# Altium PCB fMAX_MB.PcbDoc (part 11 of 13)
Units mil, origin at the board's own origin, x right, y up, seen from the top; angles counter-clockwise.
Board outline 9175 x 6300 mil, 14 copper layers (TopLayer, Gnd1, MidLayer1, Power1, MidLayer4, Power2, MidLayer2, Power3, MidLayer3, Gnd3, MidLayer6, Gnd2, MidLayer5, BottomLayer); 679 components, 896 nets, 4133 pads, 2341 vias.
Unrouted connection lines stored in the file: 4.
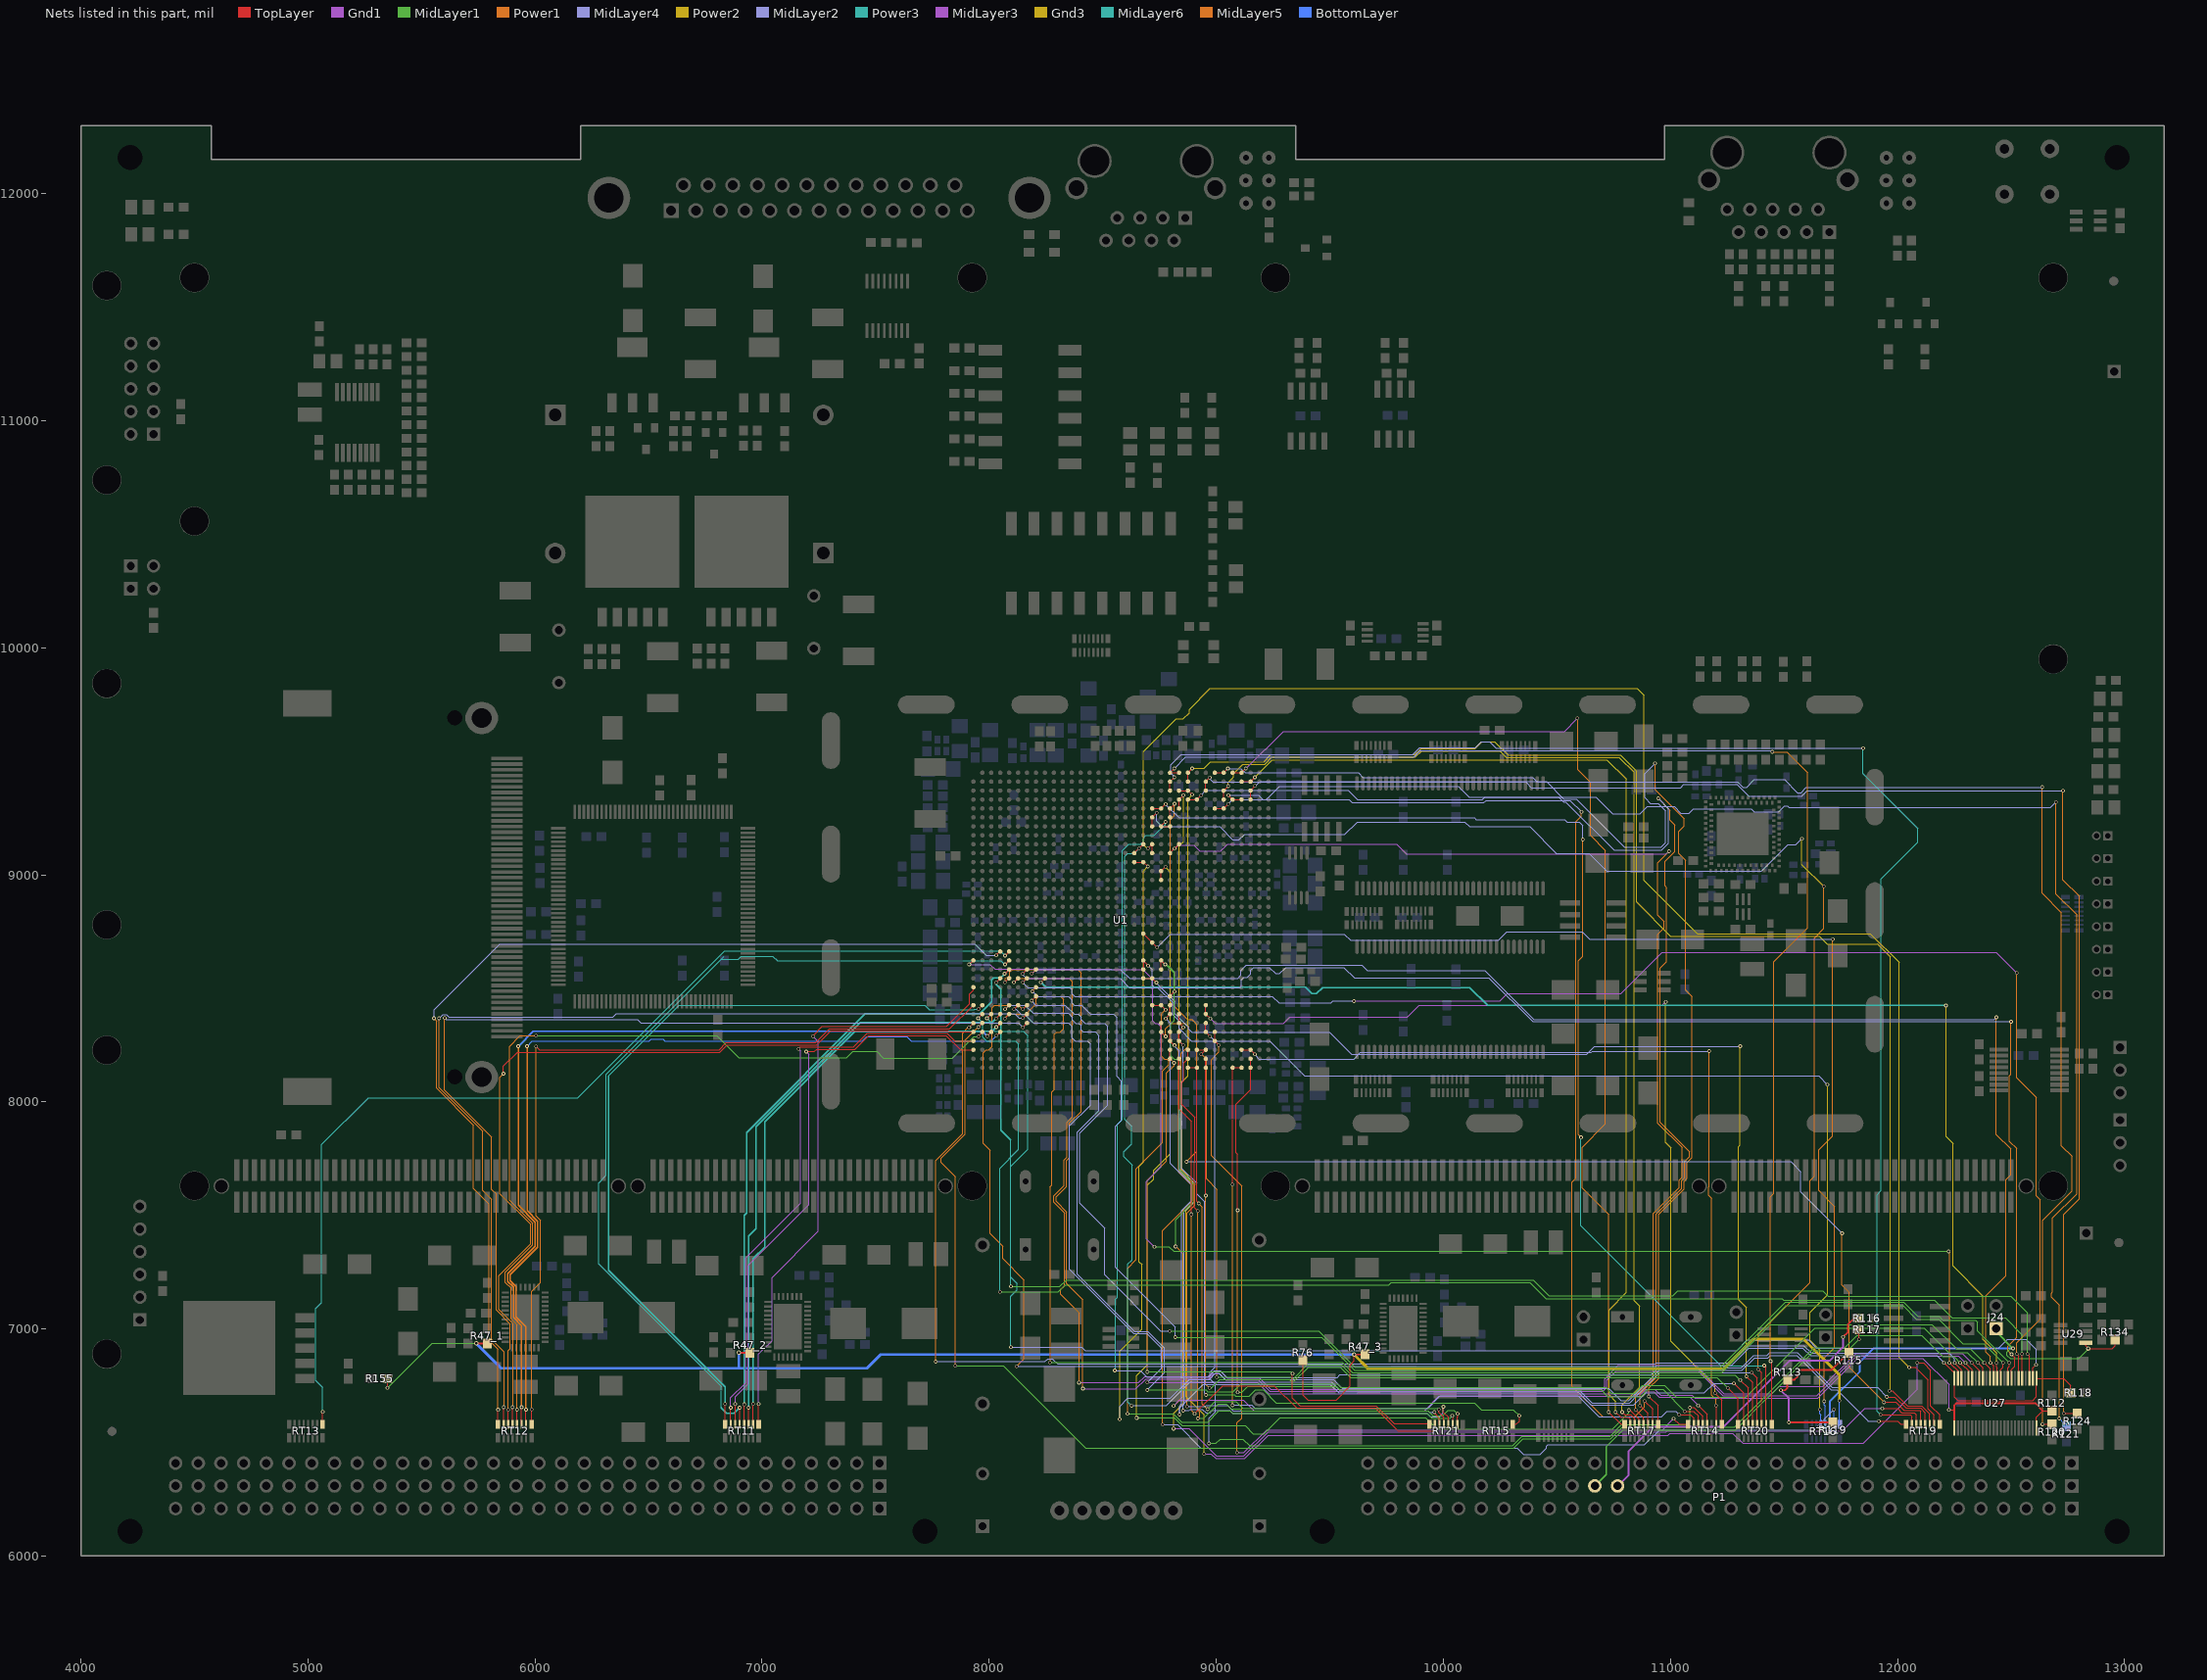
[diagram p23: the nets of this part, all layers, seen from the top]

## Via types
v1: diameter 16, hole 10, TopLayer to BottomLayer, tented both sides, 2192 vias
v2: diameter 36, hole 20, TopLayer to BottomLayer, tented both sides, 84 vias
v3: diameter 20, hole 10, TopLayer to BottomLayer, tented both sides, 61 vias
v4: diameter 160, hole 125, TopLayer to BottomLayer, tented both sides, 4 vias

## Nets (pads, with @x,y where several pads share a name; then routed paths per layer and width w, separated by ;. In a path a pad name is that pad's centre, name@x,y a point inside that pad or via, vN(x,y) a via of type N, cw(c..) or ccw(c..) an arc to the next point about the centre after c; other vN are vias at no path point) (continued)
VME_A16: RT17.8 U1.D1 U1.E1 | length 4902.5
  TopLayer w5: U1.E1@9072.13,9449.61 U1.D1@9111.5,9449.61 v1(9130,9468.11) ; v1(10728.35,6633.86) 10781.94,6580.27 RT17.8@10798.28,6580.27
  Gnd1 w5: v1@9131.11,9468.11 9131.5,9468.11 9295.28,9631.89 10533.46,9631.89 v1(10590.55,9688.98)
  MidLayer1 w5: v1(9130,9468.11) v1@9131.11,9468.11
  MidLayer5 w5: v1@10591.54,9685.04 10591.54,9462.6 10647.64,9406.5 10647.64,9173.02 10713.78,9106.88 10713.78,7902.76 10611.22,7800.2 10611.22,7621.06 10728.35,7503.94 v1(10728.35,6633.86)
VME_A17: RT17.7 U1.C2 U1.D2 | length 4701.4
  TopLayer w5: U1.D2@9111.5,9410.24 U1.C2@9150.87,9410.24 v1(9170,9429.37) ; v1(10757.87,6633.86) 10781.5,6610.24 10814.96,6610.24 10822.89,6602.31 RT17.7@10822.89,6580.27
  MidLayer1 w5: v1(9170,9429.37) v1@9170,9430
  Gnd3 w5: v1(9170,9429.37) 9170,9429.84 9247.05,9506.89 10720.47,9506.89 10805.12,9422.24 10805.12,7160.43 10729.33,7084.65 10729.33,6709.65 10757.87,6681.1 v1(10757.87,6633.86)
VME_A18: RT17.6 U1.F3 U1.F4 | length 4927.9
  TopLayer w5: U1.F4@9032.76,9331.5 U1.F3@9032.76,9370.87 v1(9052,9390.11) ; v1(10787.4,6633.86) 10800.2,6621.06 10825.79,6621.06 10842.57,6604.28 RT17.6@10842.57,6580.27
  Gnd3 w5: v1(9052,9390.11) 9052,9406.33 9076.41,9430.74 9076.41,9446.49 9117.13,9487.2 9213.22,9487.2 9243.73,9517.72 9876.97,9517.72 9904.53,9545.28 10249.02,9545.28 10277.4,9516.89 10774.45,9516.89 10839.57,9451.77 10839.57,7125.43 10865,7100 10865,6743.31 10787.4,6665.72 v1(10787.4,6633.86)
VME_A19: RT17.5 U1.N12 U1.N13 | length 4934.4
  TopLayer w5: U1.N13@8757.17,8977.17 U1.N12@8757.17,9016.54 8757.54,9016.54 v1(8776,9035) ; v1(10816.93,6642.72) 10821.85,6642.72 10862.26,6602.31 RT17.5@10862.26,6580.27
  MidLayer1 w5: v1(8649.61,6608.27) 8815.58,6608.27 8850.03,6573.82 9127.59,6573.82 9163.02,6538.39 9209.65,6538.39 9280.2,6608.94 9920.49,6608.94 9970.37,6559.06 10745.08,6559.06 10816.93,6630.91 v1(10816.93,6642.72)
  Gnd3 w5: v1(8649.61,6608.27) 8649.61,6794.29 8696.85,6841.54 8696.85,7632.87 8723.43,7659.45 8723.43,7697.83 8797.24,7771.65 8797.24,9011.81 8776,9033.06 v1(8776,9035)
VME_A20: RT17.4 U1.L9 U1.M10 | length 4997.8
  TopLayer w5: U1.M10@8796.54,9095.28 U1.L9@8835.91,9134.65 ; v1(10846.46,6643.7) 10881.94,6608.21 RT17.4@10881.94,6580.27
  MidLayer3 w5: v1@8816.1,9115.31 v1(8816.1,9114.84) 8816.61,9114.84 8832.68,9130.91 8900.59,9130.91 8927.01,9104.49 9019.84,9104.49 9049.21,9133.86 9795.28,9133.86 9838.43,9090.71 10981.46,9090.71 v1(10994.09,9103.35)
  MidLayer5 w5: v1(10846.46,6643.7) 10846.46,6709.65 10925.2,6788.39 10925.2,7508.86 11038.39,7622.05 11038.39,7655.98 11051.18,7668.78 11051.18,7798.78 10943.78,7906.18 10943.78,8738.33 10971.46,8766.01 10971.46,8794.37 10943.78,8822.05 10943.78,9053.03 v1(10994.09,9103.35)
VME_A21: RT17.3 U1.D4 U1.E4 | length 5362.2
  TopLayer w5: v1(9053,9350.62) U1.E4@9072.13,9331.5 U1.D4@9111.5,9331.5 ; v1(10866.14,6663.39) 10901.63,6627.9 RT17.3@10901.63,6580.27
  MidLayer1 w5: v1(9053,9350.62) v1@9053.38,9350.62
  MidLayer5 w5: v1(10866.14,6663.39) 10866.14,6715.19 10937.01,6786.05 10937.01,7506.53 11049.28,7618.8 11049.28,7652.74 11062.99,7666.45 11062.99,7736.22 11084.65,7757.87 11084.65,7779.53 10953.78,7910.39 10953.78,8588.62 10983.27,8618.11 10983.27,8943.9 10976.38,8950.79 10976.38,9060.04 11018.7,9102.36 11018.7,9219.49 10998.03,9240.16 10998.03,9284.45 v1(10945.87,9336.61)
  MidLayer4 w5: v1(9053,9350.62) 9185.8,9350.62 9205.71,9330.71 9219.49,9330.71 9278.78,9390 10065.71,9390 10114.17,9341.54 10508.13,9341.54 10528.8,9320.87 10539.37,9320.87 10750.98,9109.25 10961.61,9109.25 10992.13,9139.76 10992.13,9290.35 v1(10945.87,9336.61)
VME_A22: RT17.2 U1.F5 U1.G5 | length 4744.9
  TopLayer w5: U1.G5@8993.39,9292.13 U1.F5@9032.76,9292.13 v1(9052.63,9312) ; v1(10885.83,6683.07) 10921.32,6647.58 RT17.2@10921.32,6580.27
  MidLayer2 w5: v1@9054.13,9312 9054.13,9313.98 9070.87,9330.71 9584.28,9330.71 9597.08,9317.91 10179.13,9317.91 10188.98,9327.76 10558.07,9327.76 v1@10609.25,9276.57
  MidLayer5 w5: v1(10608.27,9277.56) 10608.27,9257.87 10584.65,9234.25 10584.65,7664.37 10566.93,7646.65 10566.93,6748.03 10701.77,6613.19 10841.54,6613.19 10885.83,6657.48 v1(10885.83,6683.07)
VME_A23: RT17.1 U1.C3 U1.C4 | length 5529.5
  TopLayer w5: U1.C4@9150.87,9331.5 U1.C3@9150.87,9370.87 v1(9171,9391) ; v1(10905.51,6702.76) 10945.92,6662.35 RT17.1@10945.92,6580.27
  MidLayer5 w5: v1(10905.51,6702.76) 10905.51,6740.42 10947.83,6782.74 10947.83,7503.21 11060.04,7615.42 11060.04,7649.35 11073.82,7663.13 11073.82,7732.91 11095.47,7754.56 11095.47,8464.57 11066.93,8493.11 11066.93,9063.98 11036.42,9094.49 11036.42,9189.96 11061.02,9214.57 11061.02,9246.06 10932.09,9375 v1(10932.09,9490.16)
  MidLayer4 w5: v1(9171,9391) 9172.5,9391 9191.93,9410.43 10453.38,9410.43 10530.15,9333.66 10585.89,9333.66 10797.5,9122.05 10959.65,9122.05 10978.35,9140.75 10978.35,9281.5 10945.87,9313.98 10912.4,9313.98 10886.81,9339.57 10886.81,9444.88 v1(10932.09,9490.16)
VME_ACFAIL_1: R124.1 U1.H2 U1.H3 | length 6745.1
  TopLayer w5: U1.H3@8954.02,9370.87 8954.02,9411.02 v1(8971,9428) ; v1(12732.47,6628.47) R124.1@12792,6628.46
  MidLayer2 w5: v1@8977.21,9428 v1(8971,9428) 8971,9423.69 8986.22,9408.46 10363.19,9408.46 10387.8,9383.86 11044.29,9383.86 11058.9,9398.46 11292.25,9398.46 11344.55,9346.16 11577.46,9346.16 11601.38,9370.08 v1(12728.35,9370.08)
  MidLayer5 w5: v1(12728.35,9370.08) 12728.35,8977.36 12800.2,8905.51 12800.2,7572.83 12732.47,7505.1 v1(12732.47,6628.47)
VME_AM0: RT20.5 U1.P24 U1.R24 | length 4513
  TopLayer w5: U1.R24@8678.43,8544.09 U1.P24@8717.8,8544.09 v1(8736,8525.89) ; v1(11334.65,6791.34) 11362.26,6763.73 RT20.5@11362.26,6580.27
  MidLayer2 w5: v1(8736,8525.89) 8736,8523.68 8817.6,8442.09 8817.6,8389.09 8877.95,8328.74 8877.95,8320.87 8891.73,8307.09 9499.02,8307.09 9596.46,8209.65 10630.91,8209.65 10666.34,8245.08 v1(11307.09,8245.08)
  Gnd3 w5: v1(11307.09,8245.08) 11307.09,7810.04 11299.21,7802.17 11299.21,7129.21 11334.65,7093.78 v1(11334.65,6791.34)
VME_AM1: RT20.6 U1.H32 U1.J32 | length 4086.6
  TopLayer w5: U1.J32@8914.65,8229.13 U1.H32@8954.02,8229.13 v1(8934,8209) ; v1(11307.09,6775.59) 11342.57,6740.1 RT20.6@11342.57,6580.27
  MidLayer1 w5: v1(9002.95,6788.39) 9325.79,6788.39 9331.69,6782.48 9340.55,6782.48 9400.43,6842.36 9549.99,6842.36 9595.27,6797.09 11285.59,6797.09 v1(11307.09,6775.59)
  MidLayer5 w5: v1@8934,8208.72 8934.98,8208.72 8956.69,8187.01 8956.69,7661.42 9002.95,7615.16 v1(9002.95,6788.39)
  MidLayer4 w5: v1@8934,8208.72 v1(8934,8209)
VME_AM2: RT20.7 U1.M27 U1.M28 | length 4668.8
  TopLayer w5: v1(8777,8367) U1.M28@8796.54,8386.61 U1.M27@8796.54,8425.98 ; v1(11279.53,6759.84) 11322.89,6716.48 RT20.7@11322.89,6580.27
  MidLayer2 w5: v1@8838.58,6622.05 8838.58,6651.58 8942.91,6755.91 9501.97,6755.91 9539.37,6718.5 10596.46,6718.5 10650.59,6664.37 10838.58,6664.37 10892.72,6718.5 11149.61,6718.5 11190.94,6759.84 v1(11279.53,6759.84)
  MidLayer4 w5: v1(8777,8367) 8777.68,8367 8798.23,8346.46 8798.23,7728.35 8890.75,7635.83 8890.75,7563.98 8848.43,7521.65 8848.43,6671.58 8838.58,6661.74 v1(8838.58,6623.03)
VME_AM3: RT20.8 U1.H33 U1.H34 | length 3999
  TopLayer w5: v1@8954.02,7585.91 U1.H34@8954.02,8150.39 U1.H33@8954.02,8189.76 ; v1(11251.97,6740.16) 11298.28,6693.84 RT20.8@11298.28,6580.27
  MidLayer1 w5: v1(8970.47,6740.16) 8978.35,6740.16 9016.57,6778.39 9321.65,6778.39 9328.38,6771.65 9344.49,6771.65 9405.2,6832.36 9545.85,6832.36 9591.79,6786.42 11205.71,6786.42 v1(11251.97,6740.16)
  MidLayer5 w5: v1@8954.02,7585.91 8954.02,6756.61 v1(8970.47,6740.16)
  other v1: 8954.02,7587.6
VME_AM4: RT15.1 U1.L30 U1.L31 | length 3150.3
  TopLayer w5: U1.L30@8835.91,8307.87 U1.L31@8835.91,8268.5 v1(8854,8250.41) ; RT15.1@10305.92,6580.27 10320.43,6580.27 10334.65,6594.49 v1(10334.65,6618.11)
  MidLayer1 w5: v1(8955.71,6709.65) 9079.72,6709.65 9084.65,6704.72 9145.67,6704.72 9172.24,6731.3 9206.69,6731.3 9263.78,6674.21 10137.8,6674.21 10167.32,6644.69 10308.07,6644.69 v1(10334.65,6618.11)
  MidLayer4 w5: v1(8854,8250.41) 8854,8093.17 8847.6,8086.77 8847.6,7707.26 8913.39,7641.47 8913.39,7595.47 8947.83,7561.02 8947.83,6717.52 v1(8955.71,6709.65)
VME_AM5: RT16.12 U1.R22 U1.R23 | length 4919.9
  TopLayer w5: U1.R23@8678.43,8583.46 8678.54,8583.46 U1.R22@8678.43,8622.83 8678.43,8621.57 v1(8700,8600)
  MidLayer2 w5: v1@8701.18,8600 8718.5,8582.68 8718.5,8512.8 8728.35,8502.95 8742.59,8502.95 8807.6,8437.94 8807.6,8384.33 8835.63,8356.3 8835.63,8322.83 8890.75,8267.72 9236.22,8267.72 9389.76,8114.17 11652.56,8114.17 v1(11690.94,8075.79)
  Gnd3 w5: v1(11657.48,6645.67) 11657.48,6906.5 11614.17,6949.8 11614.17,7071.85 11692.91,7150.59 11692.91,8073.82 v1(11690.94,8075.79)
  BottomLayer w5: v1(11657.48,6645.67) 11657.48,6625.98 11662.26,6621.2 RT16.12@11662.26,6579.32
VME_AS_1: RT14.5 U1.H29 U1.H30 | length 4245.2
  TopLayer w5: U1.H29@8954.02,8347.24 U1.H30@8954.02,8307.87 v1(8972.89,8289) ; v1(11086.61,6653.54) 11104.33,6653.54 11142.26,6615.61 RT14.5@11142.26,6580.27
  MidLayer1 w5: v1(8968.5,6496.06) 8998.03,6496.06 9016.73,6514.76 9117.13,6514.76 9146.5,6485.39 10304.91,6485.39 10347.08,6527.56 10733.98,6527.56 10785.16,6578.74 11067.91,6578.74 11086.61,6597.44 v1(11086.61,6653.54)
  MidLayer4 w5: v1(8968.5,6496.06) 8968.5,6607.28 8997.05,6635.83 8997.05,6754.92 8973.43,6778.54 8973.43,6810.04 8994.09,6830.71 8994.09,8267.72 8972.89,8288.92 v1(8972.89,8289)
VME_BBSY_1: R120.1 U1.F1 U1.G1 | length 6687.3
  TopLayer w5: U1.G1@8993.39,9449.61 U1.F1@9032.76,9449.61 v1(9051,9467.85) ; v1(12638.54,6580.46) R120.1@12680,6580.46
  MidLayer2 w5: v1(9051,9467.85) 9107.94,9467.85 9126.97,9448.82 9625,9448.82 9644.68,9429.13 10393.34,9429.13 10414.01,9408.46 11296.39,9408.46 11319.03,9385.83 11335.63,9385.83 11368.8,9419 11502.26,9419 11557.09,9364.17 11559.06,9362.2 11574.8,9362.2 11598.43,9385.83 v1(12636.81,9385.83)
  MidLayer5 w5: v1(12636.81,9385.83) 12636.81,8918.31 12721.46,8833.66 12721.46,7807.09 12768.54,7760 12768.54,7608.11 12638.54,7478.1 v1(12638.54,6580.46)
VME_BCLR_1: R121.1 U1.J4 U1.K4 | length 6811.7
  TopLayer w5: U1.K4@8875.28,9331.5 U1.J4@8914.65,9331.5 v1(8934,9350.85)
  MidLayer2 w5: v1(8934,9350.85) 8934,9351.32 8953.74,9371.06 9580.71,9371.06 9621.06,9330.71 10171.26,9330.71 10183.07,9342.52 10671.26,9342.52 10746.06,9267.72 10866.14,9267.72 10898.62,9300.2 11016.73,9300.2 11046.26,9270.67 11082.68,9270.67 11101.38,9289.37 11356.3,9289.37 11369.09,9276.57 11476.38,9276.57 11502.95,9303.15 11516.52,9303.15 11522.43,9297.24 12674.21,9297.24 v1(12696.85,9319.88)
  MidLayer5 w5: v1(12696.85,9319.88) 12696.85,8915.72 12789.37,8823.2 12789.37,7595.47 12683.23,7489.33 12683.23,7163.54 12677.17,7157.48 12677.17,7140.75 12712.6,7105.32 v1(12712.6,6606.3)
  BottomLayer w5: v1(12712.6,6606.3) R121.1@12743,6571.46
VME_BERR_1: RT16.15 U1.L28 U1.L29 | length 5065.1
  TopLayer w5: U1.L28@8835.91,8386.61 U1.L29@8835.91,8347.24 v1(8855.15,8328)
  MidLayer2 w5: v1(8762.8,6578.74) 8829.98,6578.74 8932.35,6476.38 10324.08,6476.38 10352.62,6447.83 10427.17,6447.83 10453.79,6474.46 10453.79,6483.32 10460.16,6489.69 10885.35,6489.69 10951.77,6556.1 11630.91,6556.1 v1(11720.47,6645.67)
  MidLayer5 w5: v1(8762.8,6578.74) 8762.8,7433.07 8890.75,7561.02 8890.75,7633.86 8834.65,7689.96 8834.65,8307.09 8855.15,8327.59 v1(8855.15,8328)
  BottomLayer w5: RT16.15@11720.47,6580.17 v1(11720.47,6645.67)
VME_BGIN0: RT19.1 U1.K3 U1.L3 | length 6818
  TopLayer w5: U1.L3@8835.91,9370.87 U1.K3@8875.28,9370.87 v1(8894,9353) ; v1(12086.61,6850.39) 12114.17,6850.39 12145.67,6818.9 12145.67,6661.42 12185.92,6621.16 RT19.1@12185.92,6580.27
  MidLayer3 w5: v1(8946.85,6449.8) 8977,6449.8 8997.67,6429.13 9125.98,6429.13 9229.33,6532.48 10990.15,6532.48 10998.02,6540.35 11274.61,6540.35 11318.9,6496.06 11849.41,6496.06 12086.61,6733.27 v1(12086.61,6850.39)
  Gnd3 w5: v1@8895.03,9353 8895.03,9352.71 8875.98,9333.66 8875.98,8115.16 8846.61,8085.79 8846.61,7700.01 8905.51,7641.11 8905.51,7561.02 8866.3,7521.81 8866.3,6702.6 8946.85,6622.05 v1@8946.85,6449.8
VME_BGIN1: RT19.3 U1.K1 U1.K2 | length 6095.6
  TopLayer w5: U1.K2@8875.28,9410.24 U1.K1@8875.28,9449.61 v1(8894,9468.33) ; v1(11964.57,6728.35) 11976.38,6728.35 12043.31,6661.42 12106.3,6661.42 12141.63,6626.09 RT19.3@12141.63,6580.27
  Gnd3 w5: v1(8894,9468.33) 8945.69,9468.33 8975.39,9498.03 9209.9,9498.03 9240.42,9528.54 9873.65,9528.54 9901.21,9556.1 10138.78,9556.1 10169.29,9586.61 10225.39,9586.61 10285.12,9526.89 10780.2,9526.89 10850.39,9456.69 10850.39,8879.92 11000,8730.32 11655.51,8730.32 11690.25,8695.58 11908.75,8695.58 ; 11909.45,8696.85 11967.52,8638.78 11967.52,6731.3 v1(11964.57,6728.35)
VME_BGIN2: RT19.5 U1.M5 U1.M6 | length 5855.4
  TopLayer w5: U1.M6@8796.54,9252.76 U1.M5@8796.54,9292.13 8817,9312.59 v1@8817,9313 ; v1(11940.94,6677.17) 11992.13,6677.17 12028.08,6641.21 12098.22,6641.21 12102.26,6637.17 RT19.5@12102.26,6580.27
  MidLayer2 w5: v1(8869.09,7736.22) 11530.51,7736.22 11573.82,7692.91 11573.82,7603.35 v1(11755.91,7421.26)
  MidLayer5 w5: v1(8816,9313) 8816,9260.88 8798.23,9243.11 8798.23,8438.98 8874.02,8363.19 8891.73,8363.19 8914.37,8340.55 8914.37,7781.5 v1(8869.09,7736.22) ; v1(11755.91,7421.26) 11755.91,7192.91 11787.4,7161.42 11787.4,6830.71 v1(11940.94,6677.17)
VME_BGIN3: RT19.7 U1.M2 U1.M3 | length 6519
  TopLayer w5: U1.M3@8796.54,9372.46 8796.54,9410.54 v1(8815,9429) ; v1@11926.03,6621.21 12055.95,6621.21 12062.89,6614.28 RT19.7@12062.89,6580.27
  MidLayer2 w5: v1(8815,9429) 8815,9432.05 8799.21,9447.83 8799.21,9483.27 8844.49,9528.54 9865.78,9528.54 9896.29,9559.06 10140.75,9559.06 10167.32,9585.63 10204.72,9585.63 10233.11,9557.24 v1(11848.58,9557.24)
  MidLayer6 w5: v1(11848.58,9557.24) 11848.58,9445.71 12089.57,9204.72 12089.57,9143.34 11928.15,8981.92 11928.15,7610.24 11909.45,7591.54 11909.45,6636.81 11924.21,6622.05 v1(11925.2,6622.05)
VME_BGOUT0: RT19.2 U1.P9 U1.P10 | length 7044.8
  TopLayer w5: v1(8698,9115) 8717.65,9134.65 U1.P9@8717.8,9134.65 U1.P10@8717.8,9095.28 ; v1(12051.18,6830.71) 12078.74,6830.71 12135,6774.45 12135,6648.46 12161.31,6622.15 RT19.2@12161.31,6580.27
  Gnd3 w5: v1@8697.01,9115 8680.12,9131.89 8680.12,9543.31 8822.83,9686.02 8854.33,9686.02 8880.91,9712.6 8880.91,9728.35 8973.43,9820.87 10852.36,9820.87 10882.72,9790.51 10882.72,8975.55 11117.95,8740.32 11880.75,8740.32 12006.89,8614.17 12006.89,6875 v1(12051.18,6830.71)
VME_BGOUT1: RT19.4 U1.M7 U1.N7 | length 6437.9
  TopLayer w5: v1(8776,9233) 8757.17,9214.17 U1.N7@8757.17,9213.39 U1.M7@8796.54,9213.39 ; v1(11952.76,6700.79) 11988.19,6700.79 12037.76,6651.21 12102.36,6651.21 12121.94,6631.63 RT19.4@12121.94,6580.27
  MidLayer2 w5: v1(8553.15,6816.93) 8666.34,6816.93 8694.88,6788.39 8966.17,6788.39 8994.72,6816.93 9016.73,6816.93 9046.93,6786.73 9532.8,6786.73 9544.29,6798.23 10915.61,6798.23 10946.13,6828.74 11312.63,6828.74 11366.76,6882.87 11425.82,6882.87 11438.61,6895.67 11558.07,6895.67 11711.61,6742.13 11911.42,6742.13 v1(11952.76,6700.79)
  MidLayer6 w5: v1(8553.15,6816.93) 8553.15,7128.94 8564.96,7140.75 8564.96,7901.57 8586.61,7923.23 8586.61,9106.3 8614.17,9133.86 8665.35,9133.86 8678.15,9146.65 8678.15,9161.42 8689.96,9173.23 8727.36,9173.23 8776,9221.87 v1(8776,9233)
VME_BGOUT2: RT19.6 U1.L4 U1.L5 | length 6382.7
  TopLayer w5: U1.L5@8835.91,9292.13 U1.L4@8835.91,9331.5 v1(8855,9350.59) ; v1(11933.07,6649.61) 12000,6649.61 12018.39,6631.21 12073.51,6631.21 12082.57,6622.15 RT19.6@12082.57,6580.27
  MidLayer3 w5: v1(8812.01,6561.02) 8879.92,6561.02 9000.98,6439.96 9122.05,6439.96 9228.19,6546.1 10980.16,6546.1 10985.24,6551.18 11757.87,6551.18 11856.3,6649.61 v1(11933.07,6649.61)
  Gnd3 w5: v1(8812.01,6561.02) 8812.01,6628.94 8856.3,6673.23 8856.3,7527.56 8894.68,7565.94 8894.68,7637.8 8836.61,7695.87 8836.61,9127.95 8855,9146.34 v1(8855,9350.59)
VME_BGOUT3: RT19.8 U1.R11 U1.T11 | length 6403
  TopLayer w5: U1.T11@8639.06,9056.06 U1.T11@8639.06,9055.91 8679.09,9055.91 v1(8698,9037) ; v1(11917.32,6594.49) 12000,6594.49 12014.22,6580.27 RT19.8@12038.28,6580.27
  MidLayer2 w5: v1(8574.8,6602.36) 8574.8,6658.46 8611.22,6694.88 8798.85,6694.88 8881.53,6777.56 8969.49,6777.56 8997.05,6805.12 9010.83,6805.12 9039.21,6776.73 9516.73,6776.73 9554.96,6738.5 10728.03,6738.5 10782.17,6684.37 10815.9,6684.37 10949.44,6817.91 11315.94,6817.91 11370.91,6872.87 11429.96,6872.87 11439.96,6882.87 11556.72,6882.87 11708.3,6731.3 11734.25,6731.3 11871.06,6594.49 ; 11870.08,6594.49 v1(11917.32,6594.49)
  Gnd3 w5: v1(8574.8,6602.36) 8574.8,6901.57 8672.24,6999.02 8672.24,7283.46 8660.43,7295.28 8660.43,7715.55 8679.13,7734.25 8679.13,9016.91 8699.22,9037 v1(8698,9037)
VME_BR0: RT20.1 U1.L1 U1.M1 | length 5865.8
  TopLayer w5: U1.M1@8796.54,9449.61 U1.L1@8835.91,9449.61 ; U1.M1@8796.61,9449.61 v1(8815,9468) ; v1(11440.94,6858.27) 11445.92,6853.29 RT20.1@11445.92,6580.27
  Power1 w5: v1(11440.94,6858.27) 11440.94,7581.69 11455.71,7596.46 11455.71,8617.13 11604.33,8765.75 11604.33,9450.79 11513.78,9541.34 v1@11450.79,9541.34
  MidLayer2 w5: v1(8815,9468) 8815.44,9468 8865.16,9517.72 9869.09,9517.72 9898.62,9547.24 11442.91,9547.24 v1(11448.82,9541.34)
VME_BR1: RT20.2 U1.N5 U1.P5 | length 5043.5
  TopLayer w5: U1.P5@8717.8,9292.13 U1.N5@8757.17,9292.13 v1(8777,9311.96) ; v1(11413.39,6838.58) 11421.31,6830.65 RT20.2@11421.31,6580.27
  MidLayer5 w5: v1(10606.3,7843.5) 10594.65,7855.16 10594.65,8622.2 10614.17,8641.73 v1(10614.17,9155.51)
  MidLayer4 w5: v1(8777,9311.96) 8777,9310.6 8835.63,9251.97 10118.11,9251.97 ; 10119.09,9250.98 10136.45,9250.98 10144.32,9243.11 10535.07,9243.11 10545.9,9232.28 10599.67,9232.28 10614.17,9217.78 v1(10614.17,9155.51)
  MidLayer6 w5: v1(10606.3,7843.5) 10606.3,7453.74 11221.46,6838.58 v1(11413.39,6838.58)
VME_BR2: RT20.3 U1.P6 U1.P7 | length 5905
  TopLayer w5: U1.P7@8717.8,9213.39 U1.P6@8717.8,9252.76 v1(8738,9273) ; v1(11385.83,6822.84) 11401.63,6807.03 RT20.3@11401.63,6580.27
  MidLayer5 w5: v1(11385.83,6822.84) 11385.83,6976.38 11614.17,7204.72 11614.17,7653.54 11633.86,7673.23 11633.86,8721.46 11675.2,8762.8 v1(11675.2,8948.82)
  MidLayer4 w5: v1(8738,9273) 8738,9235.43 8761.81,9211.61 9014.76,9211.61 9072.52,9153.86 9100.5,9153.86 9124.79,9178.15 9566.57,9178.15 9620.7,9232.28 10094.49,9232.28 10115.16,9211.61 10379.92,9211.61 10497.87,9093.66 10642.56,9093.66 10719.33,9016.89 11401.37,9016.89 11517.35,9132.87 11553.15,9132.87 v1(11578.74,9158.47)
  Gnd3 w5: v1(11578.74,9158.47) 11578.74,9045.28 v1(11675.2,8948.82)
VME_BR3: RT20.4 U1.R9 U1.T10 | length 5708.6
  TopLayer w5: U1.T10@8639.06,9095.28 U1.R9@8678.43,9134.65 ; v1(11358.27,6807.09) 11381.94,6783.41 RT20.4@11381.94,6580.27
  MidLayer2 w5: v1(8627.95,6662.4) 8780.51,6662.4 8884.84,6766.73 9507.87,6766.73 9546.1,6728.5 10601.22,6728.5 10655.35,6674.37 10820.04,6674.37 10857.28,6711.61 ; 10858.27,6712.6 10952.76,6807.09 v1(11358.27,6807.09)
  MidLayer6 w5: v1(8627.95,6662.4) 8611.22,6679.13 8611.22,7285.43 8628.78,7302.99 8628.78,7722.6 8593.5,7757.87 8593.5,7780.51 8627.8,7814.8 8627.8,7891.89 8597.44,7922.24 8597.44,9081.69 8610.24,9094.49 8638.78,9094.49 8659.24,9114.94 v1(8659.24,9115.46)
VME_D0: U1.AL24 U27.2 | length 6401.6
  TopLayer w5: v1(8030,8525) 8048.5,8543.5 U1.AL24@8048.5,8544.09 ; U27.2@12596.35,6782.25 12596.35,6828.64 v1(12610.24,6842.52)
  MidLayer2 w5: v1(8095.47,6920.28) 8407.48,6920.28 8422.24,6905.51 11292.32,6905.51 11339.57,6952.76 11607.28,6952.76 11643.7,6916.34 12445.87,6916.34 12484.25,6954.72 12564.96,6954.72 12610.24,6909.45 v1(12610.24,6842.52)
  Power3 w5: v1@8095.47,6923.23 8095.47,7144.68 8123.03,7172.24 8123.03,7199.8 8095.47,7227.36 8095.47,7831.69
  Power3 w6: v1(8030,8525) 8030,8518.23 8051.18,8497.05 8051.18,7875.98 8095.47,7831.69
VME_D1: U1.AM28 U27.3 | length 6246.1
  TopLayer w5: v1(7990,8368) 8008.61,8386.61 U1.AM28@8009.13,8386.61 ; v1(12572,6890) 12580.61,6881.39 U27.3@12580.61,6782.25